# KiCad board Z280-SBC.kicad_pcb (continued)
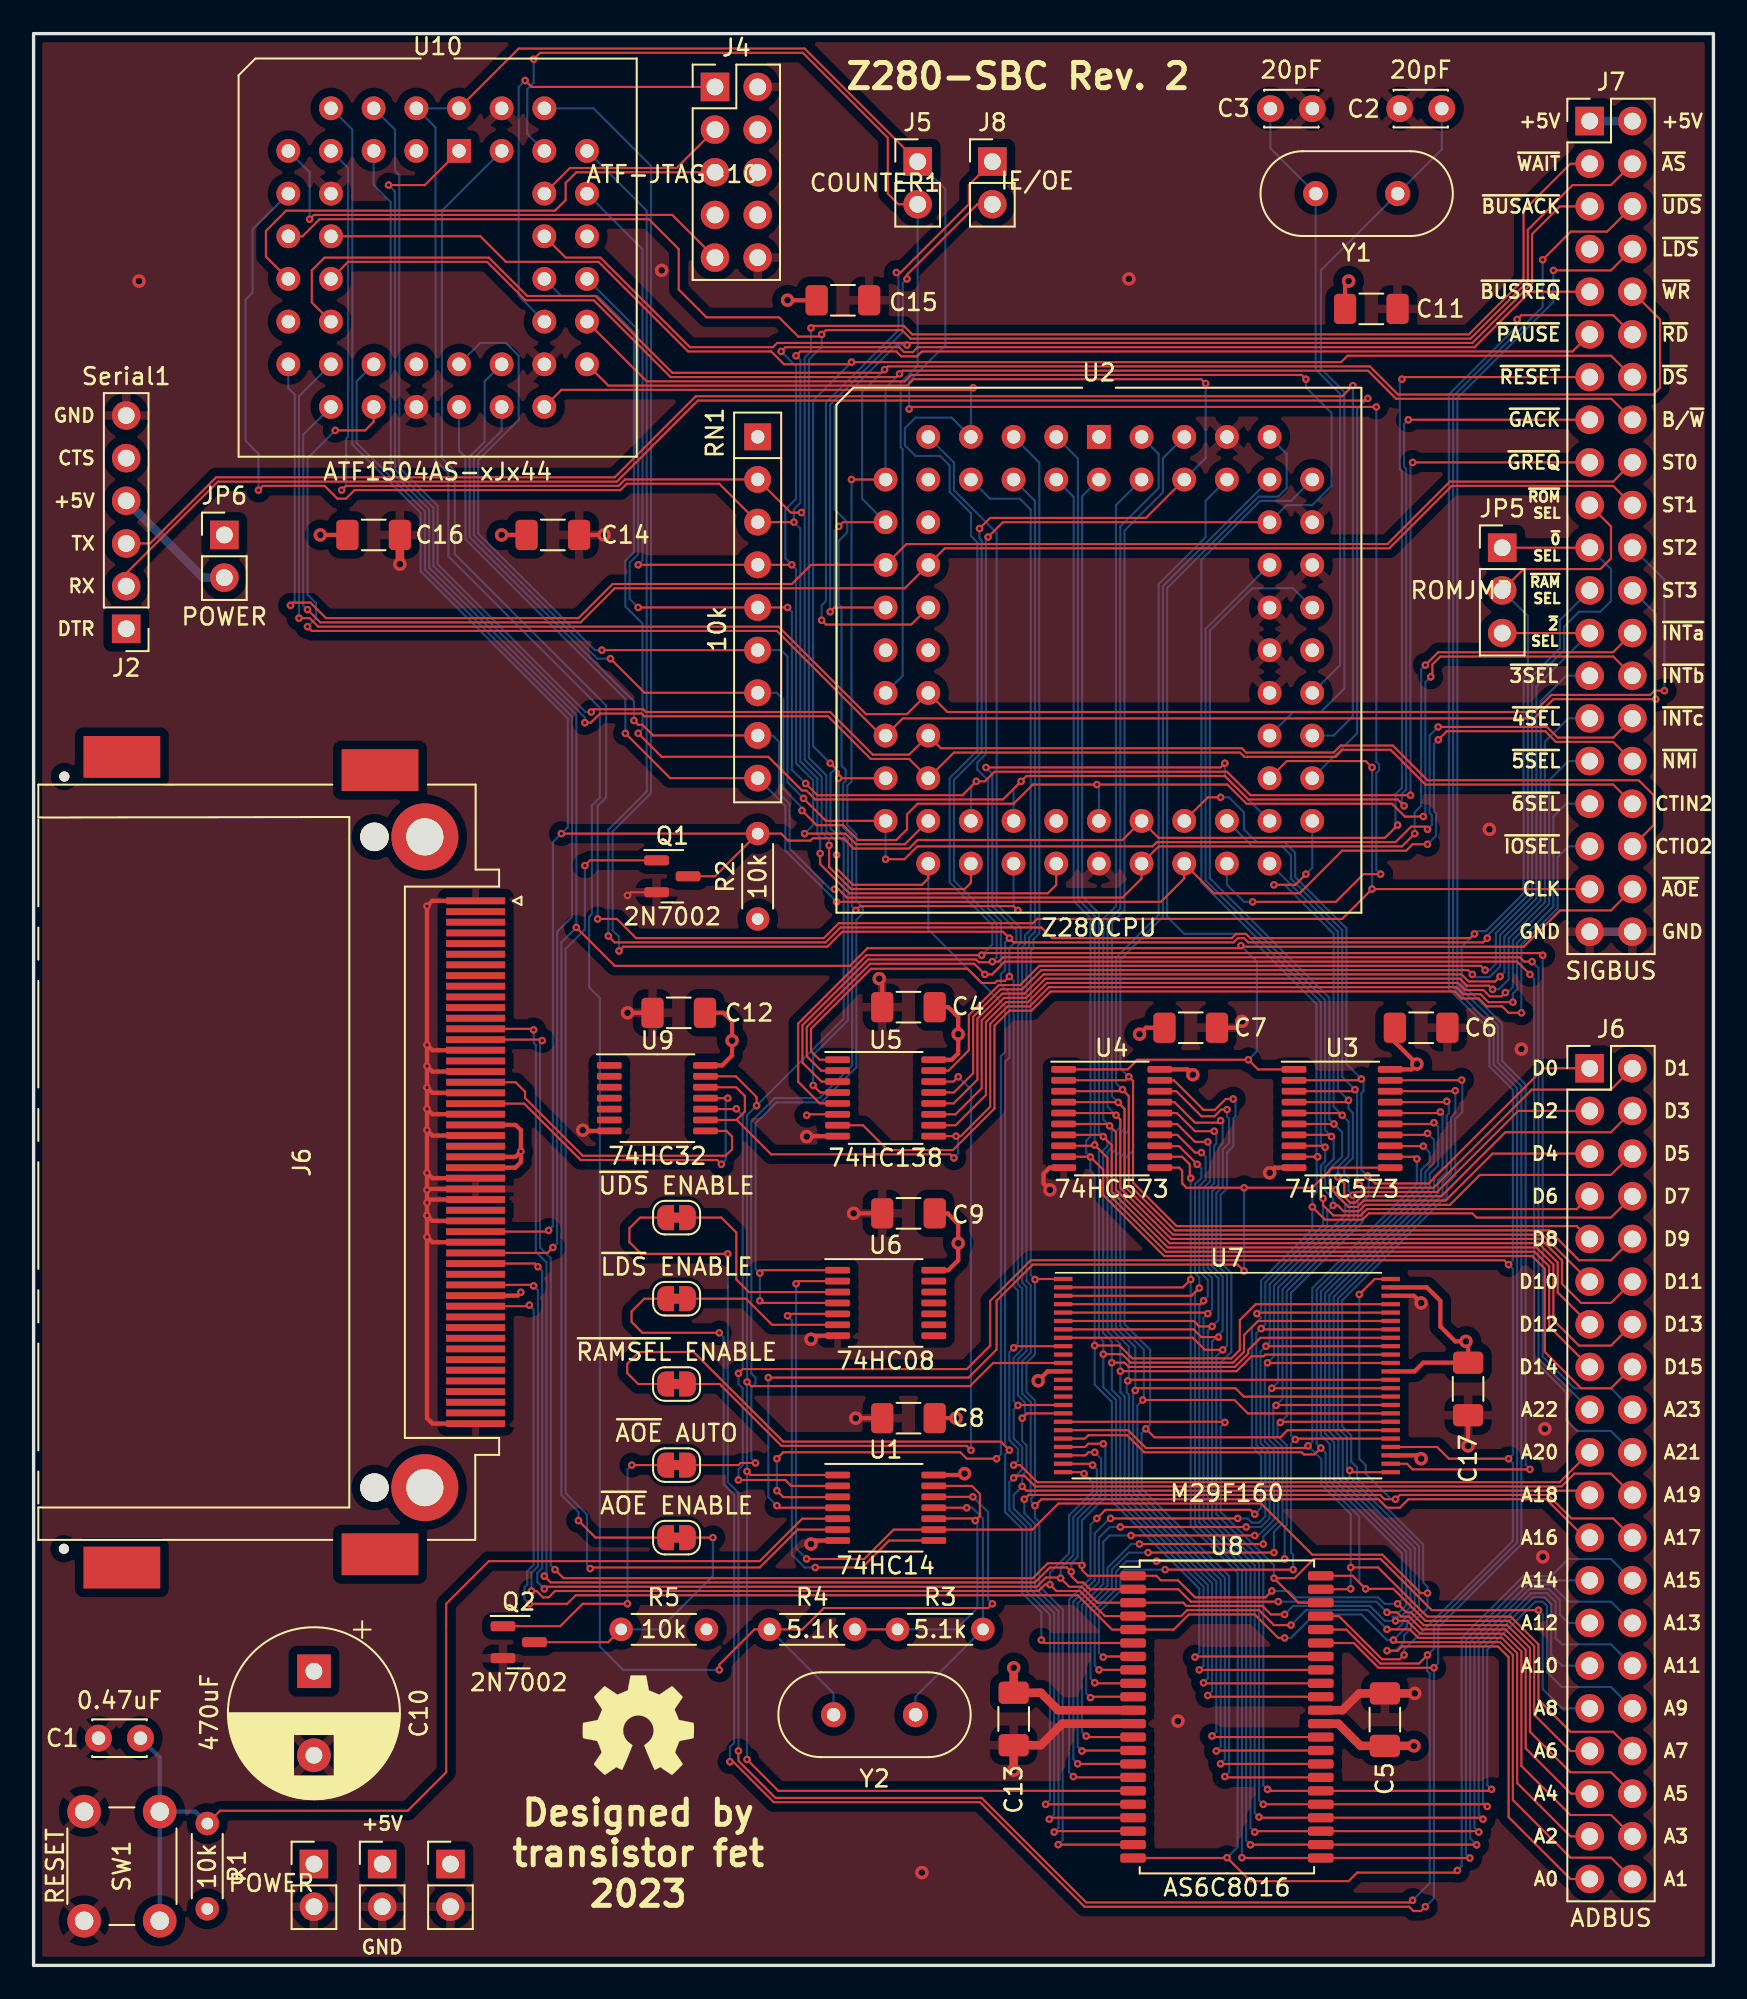
[diagram p0: board, top side]
## Routing (per net, layer and track width the routed paths; a pad name or vN(x,y) marks a point on that pad's centre or on a via; arc(x,y) is an arc through that point) (continued)
  Bottom w0.127: v1(85.01,52.71) 85.05,52.67 85.05,50.8 84.63,50.38 84.63,47.01 84.12,46.51 84.12,45.81 77.9,39.59 77.9,32.09 78.44,31.55 78.44,29.99 78.79,29.63 78.79,29 82.73,25.06 82.73,22.8 82.98,22.54 v1(82.98,22.16) 82.98,21.27 82,20.29 82,20.06 81.59,19.64 81.59,19.24 81.08,18.73 v1(80.57,18.73) ; v1(45.39,40.58) 45.39,24.83 v1(46.02,24.19)
A1: length 145.9
  Top w0.127: v1(29.52,21.53) 31.77,21.53 32.28,22.04 62.15,22.04 64.2,19.99 67.87,19.99 68.77,20.89 72.69,20.89 74.09,19.5 v1(74.47,19.5) ; v1(84.63,52.07) 84.6,52.04 U3.18 ; J6.40 93.9,6.41 91.49,6.41 88.06,9.84 88.06,18.48 87.3,19.24 81.08,19.24 v1(80.95,19.37) ; v1(78.35,29.47) 78.45,29.36 80.79,29.36 ; v1(29.52,39.31) 29.45,39.24 J1.20
  Bottom w0.127: v1(29.52,21.53) 29.22,21.82 29.22,22.51 29.39,22.67 29.39,23.47 29.77,23.85 29.77,39.05 v1(29.52,39.31) ; v1(74.47,19.5) 74.85,19.5 76.25,20.89 79.04,20.89 80.57,19.37 v1(80.95,19.37) 81.75,20.17 81.75,20.4 82.47,21.13 82.47,24.95 78.35,29.08 v1(78.35,29.47) 78.18,29.63 78.18,31.45 77.65,31.98 77.65,39.69 83.87,45.92 83.87,46.61 84.38,47.12 84.38,50.49 84.63,50.74 v1(84.63,52.07)
A2: length 147
  Top w0.127: v1(74.85,20.26) 73.84,20.26 72.95,21.15 68.67,21.15 68.31,20.79 63.78,20.79 62.28,22.29 60.88,22.29 v1(60.5,22.67) 60.21,22.67 59.82,22.29 31.04,22.29 30.66,21.91 30.32,21.91 29.94,22.29 v1(29.64,22.29) ; J6.37 91.49,7.69 88.32,10.86 88.32,18.59 87.41,19.5 82.43,19.5 81.93,20 v1(80.57,20) ; v1(29.77,40.45) 29.71,40.51 J1.19 ; U3.17 84.08,51.39 v1(84.12,51.44) ; v1(62.54,29.27) 62.45,29.36 U7.24
  Bottom w0.127: v1(74.85,20.26) 75.74,21.15 79.43,21.15 v1(80.57,20) 81.16,20 81.49,20.34 81.49,20.51 81.5,20.51 82.22,21.23 82.22,24.85 77.93,29.14 77.93,31.34 77.39,31.88 77.39,39.8 83.62,46.02 83.62,46.74 84.12,47.25 84.12,50.59 84.25,50.72 84.25,51.31 v1(84.12,51.44) ; v1(60.5,22.67) 60.5,23.39 61.65,24.53 61.65,26.8 63.04,28.19 63.04,28.77 v1(62.54,29.27) ; v1(29.64,22.29) 29.64,23.37 30.02,23.75 30.02,40.2 v1(29.77,40.45)
A3: length 147.8
  Top w0.127: v1(30.4,22.42) 30.53,22.54 59.72,22.54 60.26,23.09 61.1,23.09 v1(61.14,23.05) 61.65,22.54 62.39,22.54 63.34,21.59 68.44,21.59 68.63,21.4 73.15,21.4 73.66,20.89 v1(74.47,20.89) ; v1(63.04,29.78) 62.96,29.86 U7.23 ; U3.16 83.68,50.74 v1(83.74,50.8) ; v1(30.02,41.59) 29.84,41.78 J1.18 ; v1(81.08,20.51) 81.78,20.51 82.54,19.75 87.51,19.75 88.57,18.69 88.57,11.88 91.49,8.95 93.9,8.95 J6.38
  Bottom w0.127: v1(61.14,23.05) 61.14,23.67 61.9,24.43 61.9,26.69 63.3,28.09 63.3,29.53 v1(63.04,29.78) ; v1(30.02,41.59) 30.28,41.34 30.28,23.64 29.99,23.35 29.99,22.83 v1(30.4,22.42) ; v1(83.74,50.8) 83.87,50.67 83.87,47.44 83.36,46.94 83.36,46.13 77.14,39.9 77.14,31.77 77.67,31.24 77.67,29.03 81.97,24.74 81.97,21.34 81.4,20.77 80.91,20.77 80.9,20.76 81.14,20.51 v1(81.08,20.51) 80.44,20.51 79.55,21.4 74.98,21.4 v1(74.47,20.89)
A4: length 155.8
  Top w0.127: v1(80.57,21.02) 81.16,21.02 81.41,20.77 81.88,20.77 82.64,20 87.62,20 88.82,18.8 88.82,12.92 91.52,10.22 J6.35 ; U3.15 83.29,50.09 v1(83.36,50.17) ; v1(30.4,23.18) 30.79,22.8 59.61,22.8 60.5,23.69 61.52,23.69 v1(61.77,23.43) 61.77,23.18 62.15,22.8 62.49,22.8 62.9,22.39 U8.2 68.15,22.39 68.88,21.65 v1(74.09,21.65) ; J1.7 29.71,55.75 v1(29.77,55.69) ; v1(63.17,30.54) 62.79,30.54 62.61,30.36 U7.22
  Bottom w0.127: v1(61.77,23.43) 61.77,23.94 62.15,24.32 62.15,26.59 63.55,27.98 63.55,30.16 v1(63.17,30.54) ; v1(30.4,23.18) 30.53,23.31 30.53,41.85 29.9,42.48 29.9,54.8 29.77,54.93 v1(29.77,55.69) ; v1(83.36,50.17) 83.62,49.91 83.62,47.63 83.11,47.12 83.11,46.23 76.89,40.01 76.89,31.67 77.42,31.13 77.42,28.93 81.71,24.64 81.71,21.44 81.29,21.02 v1(80.57,21.02) 79.93,21.65 v1(74.09,21.65)
A5: length 155.4
  Top w0.127: J6.36 93.9,11.49 91.49,11.49 89.08,13.91 89.08,18.9 87.72,20.26 82.75,20.26 81.99,21.02 81.71,21.02 v1(81.2,21.53) ; v1(63.68,31.05) 62.79,31.05 62.6,30.86 U7.21 ; U3.14 82.89,49.44 v1(82.98,49.53) ; v1(73.71,22.29) 73.33,21.91 69.14,21.91 68.12,22.92 67.11,22.92 66.84,23.19 62.75,23.19 62.41,23.54 v1(62.41,23.81) 62.28,23.94 60.38,23.94 59.49,23.05 31.55,23.05 v1(31.04,23.56) ; v1(30.28,55.06) 30.22,55.11 J1.32
  Bottom w0.127: v1(63.68,31.05) 63.8,30.93 63.8,27.88 62.41,26.48 v1(62.41,23.81) ; v1(82.98,49.53) 83.36,49.15 83.36,47.75 82.85,47.25 82.85,46.34 76.63,40.11 76.63,31.56 77.17,31.03 77.17,28.82 81.46,24.53 81.46,21.78 v1(81.2,21.53) 80.42,21.53 80.04,21.91 75.11,21.91 74.73,22.29 v1(73.71,22.29) ; v1(30.28,55.06) 30.15,54.93 30.15,42.74 30.79,42.1 30.79,23.81 v1(31.04,23.56)
A6: length 71.3
  Top w0.127: 76.63,23.19 78.52,23.19 v1(79.3,22.42) 80.95,22.42 82.85,20.51 87.83,20.51 89.33,19.01 89.33,14.92 91.49,12.76 J6.33 ; U7.20 62.59,31.36 62.79,31.56 65.1,31.56 66.11,30.54 75.49,30.54 75.62,30.42 76.25,30.42 v1(76.63,30.8) ; U3.13 80.78,48.77 v1(82.73,48.77)
  Bottom w0.127: v1(82.73,48.77) 83.11,48.39 83.11,47.86 82.6,47.35 82.6,46.44 76.38,40.22 76.38,31.05 v1(76.63,30.8) 76.91,30.52 76.91,28.72 78.92,26.71 78.92,22.8 v1(79.3,22.42)
A7: length 71.1
  Top w0.127: U3.12 82.21,48.14 v1(82.35,48.01) ; v1(78.41,23.69) 80.04,23.69 82.96,20.77 87.93,20.77 89.59,19.11 89.59,15.81 91.49,13.91 94.03,13.91 J6.34 ; v1(75.87,30.93) 75.74,30.8 66.22,30.8 65.16,31.86 U7.19 ; U8.43 78.38,22.39 v1(78.41,22.42)
  Bottom w0.127: v1(78.41,22.42) v1(78.41,23.69) 78.41,26.86 76.66,28.61 76.66,30.14 v1(75.87,30.93) 76.12,31.18 76.12,40.32 82.35,46.55 v1(82.35,48.01)
A8: length 75
  Top w0.127: U4.19 67.88,52.69 69.65,50.93 70.32,50.93 70.97,51.58 v1(71.41,51.58) ; v1(89.59,21.15) 83.24,21.15 80.19,24.19 76.21,24.19 75.06,23.05 v1(73.84,23.05) 75.3,21.59 76.63,21.59 ; U7.18 70.88,32.36 v1(70.92,32.32)
  Bottom w0.127: v1(89.59,21.15) 89.84,20.89 89.84,16.45 90.98,15.3 J6.31 ; v1(71.41,51.58) 71.55,51.44 71.55,50.55 71.43,50.42 71.43,48.77 71.04,48.39 71.04,46.25 70.66,45.87 70.66,41.85 71.3,41.21 71.3,36.51 70.66,35.88 70.66,32.58 v1(70.92,32.32) 70.66,32.07 70.66,27.01 73.84,23.83 v1(73.84,23.05)
A9: length 93.8
  Top w0.127: v1(71.04,50.95) 70.7,50.95 70.3,50.55 69.52,50.55 68.03,52.04 U4.18 ; v1(86.79,10.48) 86.7,10.39 U8.28 73.54,10.39 v1(73.46,10.48) ; U7.8 69.01,37.36 69.73,36.64 v1(70.79,36.64)
  Bottom w0.127: v1(71.04,50.95) 71.04,50.53 71.17,50.4 71.17,48.96 70.79,48.58 70.79,46.35 70.41,45.97 70.41,41.74 71.04,41.11 71.04,36.89 v1(70.79,36.64) 70.41,36.26 70.41,26.86 73.2,24.07 73.2,10.73 v1(73.46,10.48) ; v1(86.79,10.48) 86.54,10.73 86.54,18.8 89.4,21.65 89.84,21.65 90.09,21.4 90.09,17.46 90.98,16.57 93.9,16.57 J6.32
A10: length 90.4
  Top w0.127: v1(70.66,50.29) 70.54,50.17 69.14,50.17 67.91,51.39 U4.17 ; v1(86.54,9.46) 86.41,9.59 v1(73.21,9.59) ; v1(70.54,37.4) 69.52,37.4 69.06,37.86 U7.7
  Bottom w0.127: v1(70.66,50.29) 70.79,50.17 70.79,48.93 70.54,48.68 70.54,46.46 70.16,46.08 70.16,41.64 70.79,41 70.79,37.78 70.16,37.15 70.16,26.71 72.95,23.92 72.95,9.84 v1(73.2,9.59) ; J6.29 90.98,17.84 90.35,18.48 90.35,21.51 89.95,21.91 89.27,21.91 86.28,18.93 86.28,9.72 v1(86.54,9.46)
A11: length 92.9
  Top w0.127: v1(70.16,38.04) 69.39,38.04 69.07,38.36 U7.6 ; v1(70.28,49.66) 69.14,49.66 68.06,50.74 U4.16 ; v1(72.95,8.83) 72.99,8.79 U8.26 86.19,8.79 v1(86.28,8.7)
  Bottom w0.127: v1(72.95,8.83) 72.69,9.08 72.69,23.81 69.9,26.61 69.9,37.78 70.54,38.42 70.54,40.9 69.9,41.53 69.9,46.18 70.28,46.57 70.28,48.79 70.41,48.91 70.41,49.53 v1(70.28,49.66) ; v1(86.28,8.7) 86.03,8.95 86.03,19.03 89.16,22.16 90.09,22.16 90.6,21.65 90.6,19.5 90.98,19.11 93.9,19.11 J6.30
A12: length 89.2
  Top w0.127: v1(72.69,7.94) 72.75,7.99 U8.25 85.98,7.99 v1(86.03,7.94) ; v1(69.9,49.02) 69.14,49.02 68.07,50.09 U4.15 ; v1(69.9,38.8) 69.84,38.86 U7.5
  Bottom w0.127: v1(69.9,49.02) 70.03,48.9 70.03,46.67 69.65,46.29 69.65,41.43 70.16,40.92 70.16,39.05 v1(69.9,38.8) 69.65,38.55 69.65,26.48 72.44,23.69 72.44,8.19 v1(72.69,7.94) ; J6.27 91.36,20.38 90.86,20.89 90.86,21.76 90.2,22.42 89.06,22.42 85.78,19.14 85.78,8.19 v1(86.03,7.94)
A13: length 92.2
  Top w0.127: v1(85.9,7.18) 85.89,7.19 72.46,7.19 v1(72.44,7.18) ; v1(69.52,48.39) 69.14,48.39 68.09,49.44 U4.14 ; v1(69.65,39.56) 69.45,39.36 U7.4
  Bottom w0.127: J6.28 93.9,21.65 91.36,21.65 90.35,22.67 88.95,22.67 85.52,19.24 85.52,7.56 v1(85.9,7.18) ; v1(69.52,48.39) 69.77,48.13 69.77,46.78 69.39,46.39 69.39,41.32 69.9,40.81 69.9,39.82 v1(69.65,39.56) 69.39,39.31 69.39,26.37 72.19,23.58 72.19,7.43 v1(72.44,7.18)
A14: length 89.4
  Top w0.127: v1(69.27,47.69) 68.19,48.77 67.06,48.77 U4.13 ; v1(69.39,40.32) 68.93,39.86 U7.3 ; v1(85.5,6.39) U8.23 71.96,6.39 v1(71.93,6.41)
  Bottom w0.127: v1(71.93,6.41) 71.93,23.47 69.14,26.27 69.14,40.07 v1(69.39,40.32) 69.39,40.96 69.14,41.22 69.14,46.5 69.52,46.88 69.52,47.44 v1(69.27,47.69) ; v1(85.5,6.39) 85.27,6.62 85.27,19.37 88.82,22.92 J6.25
A15: length 99.2
  Top w0.127: v1(68.88,46.86) 68.83,46.92 68.83,47.68 68.37,48.14 U4.12 ; U7.2 68.41,40.36 v1(68.88,40.83) ; v1(84.76,5.65) 84.63,5.53 78.79,5.53 78.28,5.02 72.44,5.02 v1(71.04,6.41) 71.02,6.39 U8.22
  Bottom w0.127: v1(68.88,46.86) 68.88,26.16 71.68,23.37 71.68,7.05 v1(71.04,6.41) ; J6.26 93.9,24.19 91.36,24.19 90.35,23.18 88.7,23.18 85.01,19.5 85.01,5.91 v1(84.76,5.65)
A16: length 126.8
  Top w0.127: v1(59.61,40.83) 59.64,40.86 U7.1 ; v1(61,7.19) 65.45,7.19 ; J6.23 92.34,25.46 90.05,27.75 81.84,27.75 81.33,27.24 80.57,27.24 80.06,27.75 59.99,27.75 v1(59.61,27.37)
  Bottom w0.127: U2.5 59.87,89.46 59.87,61.43 59.52,61.08 59.52,60.56 59.36,60.39 59.36,41.09 v1(59.61,40.83) 59.61,36.37 59.11,35.86 59.11,34.14 59.61,33.63 59.61,28.03 59.4,27.81 59.4,27.59 v1(59.61,27.37) 59.61,26.65 59.87,26.39 59.87,22.58 61.27,21.19 61.27,7.46 v1(61,7.19)
A17: length 140.6
  Top w0.127: 80.79,40.86 79.84,40.86 v1(78.92,39.94) ; U8.20 60.81,7.99 v1(60.76,7.94) ; J6.24 94.03,26.61 91.55,26.61 90.16,28 81.33,28 v1(81.08,27.75) 80.42,27.75 80.17,28 59.23,28 v1(58.98,27.75)
  Bottom w0.127: v1(81.08,27.75) 80.82,27.75 79.3,29.27 79.3,29.78 78.92,30.16 v1(78.92,39.94) ; U2.6 59.61,87.18 59.61,61.53 59.27,61.19 59.27,60.66 59.11,60.5 59.11,40.75 59.36,40.5 59.36,36.48 58.85,35.97 58.85,34.03 59.36,33.53 59.36,28.13 v1(58.98,27.75) 58.98,26.92 59.61,26.29 59.61,22.48 61.01,21.08 61.01,8.19 v1(60.76,7.94)
A18: length 126.1
  Top w0.127: v1(58.85,28.51) 59.11,28.26 92.38,28.26 J6.21 ; v1(60.47,8.7) 60.56,8.79 U8.19 ; U7.17 59.14,32.86 v1(58.85,32.58)
  Bottom w0.127: U2.8 56.94,87.31 58.71,87.31 59.36,86.66 59.36,61.66 59.02,61.32 59.02,60.77 58.85,60.61 58.85,40.64 59.11,40.39 59.11,36.58 58.6,36.07 58.6,33.93 59.02,33.51 59.02,32.74 v1(58.85,32.58) 58.85,31.22 59.11,30.96 59.11,29.42 58.85,29.17 v1(58.85,28.51) 58.34,28 58.34,27.2 59.36,26.18 59.36,22.37 60.76,20.98 60.76,8.99 v1(60.47,8.7)
A19: length 131.8
  Top w0.127: U7.16 58.62,33.36 v1(58.6,33.34) ; v1(58.34,29.02) 58.47,29.15 58.98,29.15 59.61,28.51 90.96,28.51 91.72,29.27 93.9,29.27 J6.22 ; v1(60.25,9.59) 65.45,9.59 65.45,9.59
  Bottom w0.127: U2.9 54.79,89.46 54.79,87.82 57.33,85.28 57.33,63.18 58.76,61.75 58.76,60.87 58.6,60.71 58.6,40.54 58.85,40.29 58.85,36.69 58.34,36.18 58.34,33.59 v1(58.6,33.34) 58.34,33.08 58.34,31.37 58.85,30.86 58.85,29.53 v1(58.34,29.02) 58.09,28.77 58.09,27.09 59.11,26.08 59.11,22.27 60.5,20.87 60.5,9.84 v1(60.25,9.59)
A20: length 117.4
  Top w0.127: v1(58.34,29.78) 58.73,29.78 59.74,28.77 90.85,28.77 92.63,30.54 ; v1(58.34,36.77) 58.44,36.86 U7.9 ; v1(58.09,58.87) 57.84,58.61 57.35,58.61 57.23,58.48 56.44,58.48 55.59,59.33 49.85,59.33 46.28,55.76 46.28,54.42 46.79,53.91 U5.1 ; v1(56.69,71.31) 70.66,71.31 v1(70.92,71.57)
  Bottom w0.127: v1(70.92,71.57) 70.92,70.79 U2.45 ; v1(58.34,29.78) 58.6,30.04 58.6,30.75 58.09,31.26 58.09,36.51 v1(58.34,36.77) 58.6,37.02 58.6,40.18 58.34,40.43 58.34,58.61 v1(58.09,58.87) 58.09,60.56 58.51,60.98 58.51,61.62 57.07,63.06 57.07,70.93 v1(56.69,71.31)
A21: length 182.4
  Top w0.127: v1(89.08,58.99) 88.32,59.75 57.81,59.75 57.05,58.99 v1(56.63,58.99) 56,59.63 49.79,59.63 46.02,55.86 46.02,54.12 46.88,53.26 U5.2 ; v1(56.82,85.03) 57.7,85.91 U2.59 ; U10.31 36.5,94.3 51.87,94.3 52.25,94.68 75.49,94.68 v1(75.74,94.43)
  Bottom w0.127: v1(56.63,58.99) 57.07,58.99 57.58,59.5 57.58,62.17 56.82,62.93 56.82,70.55 56.19,71.18 56.19,71.61 56.69,72.12 56.69,84.9 v1(56.82,85.03) ; v1(89.08,58.99) 89.33,58.74 89.33,36.01 91.24,34.1 91.24,32.45 91.87,31.81 93.9,31.81 J6.20 ; v1(75.74,94.43) 75.74,93.94 77.27,92.42 77.27,88.08 76.12,86.93 74.59,86.93 U2.59
A22: length 163.2
  Top w0.127: U5.3 46.9,52.61 45.77,53.74 45.77,55.97 49.69,59.88 56.1,59.88 56.27,59.72 57.04,59.72 v1(57.07,59.75) 57.46,59.75 57.71,60.01 88.48,60.01 88.74,59.75 v1(89.2,59.75) ; v1(69.77,94.17) 69.52,94.43 52.38,94.43 51.99,94.04 34.21,94.04 U10.29 ; U2.66 66.21,86.17 56.94,86.17 v1(56.31,85.54)
  Bottom w0.127: v1(89.2,59.75) 89.59,59.37 89.59,36.13 J6.17 ; v1(57.07,59.75) 57.33,60.01 57.33,62.04 54.79,64.58 54.79,70.57 56.44,72.22 56.44,84.82 56.31,84.95 v1(56.31,85.54) ; v1(69.77,94.17) 69.77,89.73 U2.66
A23: length 152.7
  Top w0.127: v1(55.93,93.92) 55.8,93.79 31.42,93.79 U10.28 ; U5.5 46.8,51.31 45.52,52.6 45.52,56.07 49.58,60.14 v1(56.44,60.14) 56.57,60.26 89.71,60.26 v1(89.84,60.14)
  Bottom w0.127: v1(55.93,93.92) 55.8,93.79 U2.7 54.65,92.14 52.5,92.14 51.87,91.5 51.87,90.49 52.5,89.85 53.96,89.85 54.53,89.28 54.53,87.72 55.8,86.45 55.8,85.09 56.19,84.71 56.19,72.33 54.53,70.68 54.53,64.48 57.07,61.94 57.07,60.77 v1(56.44,60.14) ; J6.18 93.9,34.35 91.72,34.35 89.84,36.24 v1(89.84,60.14)
ALE: length 64.6
  Top w0.127: U4.11 68.2,47.49 68.38,47.31 68.38,46.55 68.63,46.29 v1(72.06,46.29) 76.12,46.29 77.32,47.49 U3.11 ; v1(44.25,27.37) 44.37,27.24 U1.4 ; v1(43.74,34.99) 55.66,34.99 57.33,36.66 57.33,39.56 59.49,41.72 71.68,41.72 v1(72.06,41.34)
  Bottom w0.127: v1(72.06,46.29) v1(72.06,41.34) ; v1(43.74,34.99) 43.74,27.88 v1(44.25,27.37)
ATA-READY: length 63.5
  Top w0.127: v1(30.91,42.74) 30.59,42.41 J1.42
  Bottom w0.127: v1(30.91,42.74) 31.17,42.99 31.17,61.53 32.05,62.42 32.05,74.34 23.29,83.1 23.29,86.57 19.23,90.64 19.23,94.3 U10.21
B/~{W}: length 153.8
  Top w0.127: v1(43.23,39.56) 43.36,39.43 U6.4 ; v1(43.23,41.21) 43.4,41.38 U6.1 ; U10.14 18.72,101.41 27,101.41 29.28,99.12 33.35,99.12 37.92,94.55 51.36,94.55 v1(51.55,94.74) 51.74,94.93 79.44,94.93 81.11,93.26 93.93,93.26 J7.16 ; v1(48.69,88.45) U2.10
  Bottom w0.127: v1(43.23,39.56) v1(43.23,41.21) 42.98,41.47 42.98,50.12 44.23,51.37 46.89,51.37 48.98,53.46 48.98,62.25 49.36,62.63 49.36,62.98 48.98,63.36 48.98,67.34 48.44,67.88 48.44,70.23 48.69,70.48 48.69,88.45 v1(48.69,88.45) ; v1(51.55,94.74) 50.72,93.91 U2.10
CLK: length 126.1
  Top w0.127: 92.63,64.07 v1(79.68,64.07) 77.9,62.29 59.74,62.29 59.49,62.04 47.93,62.04 47.04,61.15 35.87,61.15 34.72,62.29 v1(33.58,62.29) ; v1(79.68,71.31) 79.3,71.69 74.6,71.69 73.58,70.67
  Bottom w0.127: U10.43 24.31,104.46 24.31,89.73 25.07,88.96 25.07,84.01 34.09,74.99 34.09,69.53 33.58,69.03 v1(33.58,62.29) ; v1(79.68,64.07) v1(79.68,71.31)
CTIN1: length 256.1
  Top w0.127: v1(55.92,27.89) U1.12 ; v1(57.07,21.53) 56.82,21.27 47.04,21.27 45.77,20 R4.1 42.91,20 40.82,17.91 v1(40.82,17.59) ; v1(72.57,63.31) 77.52,63.31 79.17,64.96 v1(80.19,64.96) ; v1(79.93,92.77) 52.25,92.77 v1(52.12,92.65) ; U10.44 28.88,114.11 45.9,114.11 J5.1
  Bottom w0.127: v1(79.93,92.77) 79.93,71.65 80.1,71.48 80.1,71.14 79.93,70.98 79.93,65.22 v1(80.19,64.96) ; U10.44 U10.2 23.93,109.41 23.93,89.6 24.69,88.84 24.69,83.88 33.71,74.87 33.71,69.51 33.23,69.04 33.23,62.59 33.07,62.42 33.07,58.23 33.71,57.6 33.71,18.99 35.1,17.59 v1(40.82,17.59) ; v1(52.12,92.65) 52.12,94.3 54.28,96.46 54.28,105.73 J5.1 ; v1(57.07,21.53) 56.82,21.78 56.82,26.99 v1(55.92,27.89) ; R4.1 47.62,16.19 Y2.2 ; v1(72.57,63.31) 72.06,63.31 71.04,64.33 U2.41
CTIN2: length 108.3
  Top w0.127: J7.34 94.03,70.3 82.85,70.3 80.79,72.36 77.92,72.36 77.5,71.95 72.07,71.95 71.82,72.2 54.79,72.2 53.26,70.67 53.26,70.68 52.12,71.82 49.84,71.82 47.3,74.36 36.35,74.36 36.19,74.52 33.72,74.52 33.18,73.98 v1(32.82,73.98) ; U10.1 23.29,105.98 v1(21.13,105.98)
  Bottom w0.127: v1(21.13,105.98) 21.51,105.6 21.51,89.07 23.8,86.78 23.8,83.31 32.82,74.29 v1(32.82,73.98)
CTIO1: length 64.7
  Top w0.127: v1(29.77,113.48) 30.15,113.86 45.79,113.86 50.85,108.8 50.85,105.47 51.49,104.84 J5.2
  Bottom w0.127: U2.20 51.74,76.77 51.74,90.26 51.61,90.38 51.61,94.22 52.63,95.23 J5.2 ; v1(29.77,113.48) 29.77,112.08 29.39,111.7 29.39,109.03 U10.41
CTIO2: length 111.8
  Top w0.127: J7.36 96.44,67.88 96.44,69.66 95.56,70.55 82.98,70.55 80.91,72.62 77.81,72.62 77.39,72.2 72.18,72.2 71.93,72.45 54.02,72.45 U2.23 52.12,72.07 49.96,72.07 47.42,74.61 36.46,74.61 36.29,74.78 33.36,74.78 v1(33.2,74.61)
  Bottom w0.127: U10.4 21.51,109.28 21.51,106.85 21.77,106.59 21.77,89.18 24.05,86.89 24.05,83.42 32.86,74.61 v1(33.2,74.61)
D0: length 99.7
  Top w0.127: v1(75.11,31.31) 75.16,31.36 80.79,31.36 ; U2.40 69.9,69.53 v1(70.66,69.53) ; v1(63.68,18.35) 63.72,18.39 U8.7 ; U3.2 78.97,52.69 v1(79.04,52.77) ; v1(74.98,23.56) v1(67.36,23.56) ; J6.1 89.9,53.4 83.05,46.55 79.86,46.55 v1(79.42,46.99)
  Bottom w0.127: v1(63.68,18.35) 63.42,18.61 63.42,21.02 64.69,22.29 64.69,23.31 64.95,23.56 v1(67.36,23.56) ; v1(74.98,23.56) 74.98,24.45 74.85,24.58 74.85,31.05 v1(75.11,31.31) 74.85,31.56 74.85,40.03 77.81,42.99 77.84,42.99 79.1,44.25 79.1,45.46 79.48,45.84 79.48,46.93 v1(79.42,46.99) 79.04,47.36 79.04,51.93 79.17,52.05 79.17,52.64 v1(79.04,52.77) 78.16,53.66 78.16,61.74 75.1,64.8 75.1,66.24 74.48,66.86 72.82,66.86 72.06,67.62 72.06,68.64 71.16,69.53 v1(70.66,69.53)
D1: length 99
  Top w0.127: v1(74.47,24.19) 74.35,24.07 v1(66.85,24.07) ; U3.3 78.57,52.04 v1(78.66,52.13) ; 80.79,32.36 74.26,32.36 v1(74.22,32.32) ; 65.45,17.59 v1(63.43,17.59) ; v1(78.92,46.47) 79.1,46.29 83.35,46.29 89.19,52.13 93.9,52.13 J6.2
  Bottom w0.127: v1(66.85,24.07) 65.07,24.07 64.44,23.43 64.44,22.4 63.17,21.13 63.17,17.84 v1(63.42,17.59) ; v1(74.47,24.19) 74.47,26.08 74.6,26.21 74.6,30.97 74.06,31.51 74.06,32.16 v1(74.22,32.32) 74.6,32.7 74.6,40.14 77.71,43.24 77.73,43.24 78.84,44.36 78.84,45.58 79.04,45.78 79.04,46.34 v1(78.92,46.47) 78.79,46.6 78.79,52.01 v1(78.66,52.13) 77.9,52.9 77.9,61.64 74.85,64.69 74.85,66.1 74.34,66.61 72.56,66.61 U2.42
D2: length 92
  Top w0.127: v1(73.84,24.58) v1(66.34,24.58) ; 78.53,45.84 78.73,46.04 83.55,46.04 88.37,50.86 92.63,50.86 ; v1(78.28,51.5) 78.17,51.39 U3.4 ; 80.79,33.36 73.99,33.36 v1(73.97,33.34) ; 65.45,16.79 63.21,16.79 v1(63.17,16.83)
  Bottom w0.127: v1(66.34,24.58) 65.2,24.58 64.19,23.56 64.19,22.5 62.92,21.23 62.92,17.08 v1(63.17,16.83) ; v1(73.84,24.58) 73.84,25.81 74.35,26.31 74.35,30.86 73.8,31.41 73.8,33.18 v1(73.97,33.34) 74.35,33.72 74.35,40.24 77.6,43.5 77.63,43.5 78.59,44.46 78.59,45.79 v1(78.53,45.85) 78.28,46.1 78.28,46.89 78.03,47.14 78.03,47.56 78.54,48.07 78.54,50.75 78.28,51.01 v1(78.28,51.5) 77.65,52.13 77.65,61.53 73.59,65.59 U2.43
D3: length 101.7
  Top w0.127: v1(62.92,15.94) 62.97,15.99 65.45,15.99 ; v1(73.84,64.33) 75.11,64.33 v1(75.74,64.96) ; 80.79,34.36 73.72,34.36 v1(73.71,34.35) ; v1(77.65,46.93) 78.03,46.55 78.03,45.76 78.38,45.4 78.68,45.4 79.06,45.78 83.8,45.78 87.61,49.59 93.9,49.59 95.17,50.86 ; U3.5 77.77,50.74 v1(77.9,50.61) ; v1(73.2,25.08) v1(65.84,25.08)
  Bottom w0.127: v1(73.84,64.33) 74.47,64.33 77.39,61.41 77.39,51.12 v1(77.9,50.61) 78.28,50.23 78.28,48.18 77.65,47.54 v1(77.65,46.93) 78.02,46.55 78.02,45.76 78.33,45.45 78.33,44.57 77.52,43.75 77.5,43.75 74.09,40.35 74.09,34.74 v1(73.71,34.35) 73.55,34.19 73.55,31.3 74.09,30.76 74.09,26.42 73.2,25.53 v1(73.2,25.08) ; U2.44 76.12,65.34 v1(75.74,64.96) ; v1(62.92,15.94) 62.66,16.19 62.66,21.34 63.93,22.61 63.93,23.67 65.35,25.08 v1(65.84,25.08)
D4: length 119.1
  Top w0.127: 65.45,13.59 62.72,13.59 v1(62.66,13.65) ; v1(72.69,25.59) v1(65.33,25.59) ; 92.63,48.32 86.86,48.32 84.06,45.53 79.17,45.53 78.79,45.15 78.28,45.15 77.52,45.9 v1(77.52,46.17) ; 80.79,35.86 73.47,35.86 v1(73.46,35.88) ; v1(77.41,50.09) U3.6
  Bottom w0.127: v1(65.33,25.59) 64.06,25.59 63.68,25.21 63.68,22.71 62.41,21.44 62.41,13.91 v1(62.66,13.65) ; 76.12,80.83 74.97,81.98 72.55,81.98 70.02,79.46 70.02,64.71 77.13,57.6 77.13,50.36 v1(77.41,50.09) 77.9,49.59 77.9,48.15 77.14,47.39 77.14,46.55 v1(77.52,46.17) 77.52,45.9 78.08,45.35 78.08,44.69 73.84,40.45 73.84,36.26 v1(73.46,35.88) 73.29,35.72 73.29,31.19 73.84,30.65 73.84,26.52 72.91,25.59 v1(72.69,25.59)
D5: length 120
  Top w0.127: v1(77.27,49.34) 77.17,49.44 U3.7 ; v1(62.41,12.76) 62.44,12.79 U8.14 ; v1(77.36,45.25) 77.64,45.25 77.99,44.9 78.89,44.9 79.27,45.28 84.32,45.28 86.09,47.05 93.9,47.05 95.17,48.32 ; v1(73.36,36.86) 80.79,36.86 ; v1(72.19,26.1) v1(64.69,26.1)
  Bottom w0.127: v1(62.41,12.76) 62.15,13.02 62.15,21.55 63.42,22.82 63.42,25.46 64.06,26.1 v1(64.69,26.1) ; v1(72.19,26.1) 73.05,26.1 73.58,26.63 73.58,30.54 73.04,31.09 73.04,36.54 v1(73.36,36.86) 73.58,37.08 73.58,40.56 77.01,43.99 77.01,44.9 v1(77.36,45.25) 77.36,45.65 76.89,46.12 76.89,47.5 77.39,48.01 77.39,49.21 v1(77.27,49.34) 76.88,49.73 76.88,57.47 69.77,64.59 69.77,79.56 73.58,83.37
D6: length 125.7
  Top w0.127: v1(76.89,48.71) 76.8,48.79 U3.8 ; v1(71.68,26.61) v1(64.11,26.61) ; U8.15 62.16,11.99 v1(62.15,12) ; v1(76.76,45.66) 76.76,45.26 77.38,44.64 79,44.64 79.38,45.02 91.87,45.02 92.63,45.78 ; 80.79,37.86 73.12,37.86 v1(73.08,37.91)
  Bottom w0.127: v1(62.15,12) 61.9,12.26 61.9,21.65 63.17,22.92 63.17,25.72 64.06,26.61 v1(64.11,26.61) ; v1(71.68,26.61) 72.27,26.61 72.52,26.35 72.95,26.35 73.33,26.73 73.33,30.44 72.79,30.98 72.79,37.62 v1(73.08,37.91) 73.33,38.16 73.33,40.66 76.76,44.09 v1(76.76,45.66) 76.63,45.78 76.63,47.6 76.89,47.86 v1(76.89,48.71) 76.63,48.96 76.63,57.35 69.52,64.46 69.52,83.67 73.03,87.18 74.85,87.18 U2.60
D7: length 135.3
  Top w0.127: 65.45,11.19 61.95,11.19 v1(61.9,11.24) ; v1(76.12,45.15) 76.89,44.39 79.1,44.39 79.48,44.77 85.65,44.77 85.9,44.51 93.9,44.51 95.17,45.78 ; v1(72.82,38.8) 72.88,38.86 80.79,38.86 ; v1(63.3,26.61) 63.8,27.12 72.44,27.12 v1(72.69,26.86) ; v1(76.45,48.14) U3.9
  Bottom w0.127: v1(61.9,11.24) 61.65,11.49 61.65,21.78 62.92,23.05 62.92,26.23 v1(63.3,26.61) ; v1(72.69,26.86) 73.08,27.24 73.08,30.33 72.53,30.88 72.53,38 73.08,38.55 v1(72.82,38.8) 73.08,39.05 73.08,40.77 76.12,43.81 v1(76.12,45.15) 76.12,45.78 76.38,46.04 76.38,48.07 v1(76.45,48.14) 76.37,48.21 76.37,57.22 72.19,61.41 68.5,61.41 67.48,62.43 67.48,82 72.92,87.44 74.09,87.44 74.59,87.94 74.59,89.98 U2.61
D8: length 144.1
  Top w0.127: v1(66.22,31.94) 66.73,31.43 74.22,31.43 74.65,31.86 80.79,31.86 ; 76.63,11.19 70.97,11.19 v1(70.92,11.24) ; U4.2 65,52.69 v1(65.2,52.9) 65.45,52.65 65.45,46.6 68.05,44.01 91.87,44.01 92.63,43.24
  Bottom w0.127: U2.62 67.23,82.1 67.23,62.42 64.69,59.88 64.69,53.4 v1(65.2,52.9) 65.45,52.65 65.45,48.51 64.94,48 64.94,38.17 66.47,36.64 66.47,32.2 v1(66.22,31.94) 65.96,31.69 65.96,28.39 71.17,23.18 71.17,11.49 v1(70.92,11.24)
D9: length 145.5
  Top w0.127: J6.10 93.9,41.97 92,41.97 90.22,43.75 67.94,43.75 65.2,46.5 65.2,51.76 v1(64.82,52.13) 64.73,52.04 U4.3 ; U8.30 70.67,11.99 v1(70.66,12) ; 80.79,32.86 72.28,32.86 71.49,33.66 v1(66.03,33.66)
  Bottom w0.127: v1(70.66,12) 70.92,12.26 70.92,23.05 ; 70.92,23.06 65.71,28.27 65.71,33.34 v1(66.03,33.66) 66.09,33.72 66.09,36.66 64.69,38.06 64.69,48.11 64.94,48.36 64.94,49.44 65.2,49.7 65.2,51.76 v1(64.82,52.13) 64.44,52.52 64.44,60 66.97,62.53 66.97,82.23 69.77,85.02 69.77,87.18 U2.64
D10: length 143.5
  Top w0.127: 80.79,33.86 72.05,33.86 71.55,34.35 65.71,34.35 v1(65.58,34.23) ; v1(70.41,12.76) 70.44,12.79 U8.31 ; 92.63,40.7 92.63,40.71 89.84,43.5 67.83,43.5 64.94,46.39 64.94,50.99 v1(64.56,51.37) 64.54,51.39 U4.4
  Bottom w0.127: v1(70.41,12.76) 70.66,13.02 70.66,22.96 65.46,28.17 65.46,34.1 v1(65.58,34.23) 65.58,36.81 64.44,37.96 64.44,48.21 64.69,48.47 64.69,49.55 64.94,49.8 64.94,50.99 v1(64.56,51.37) 64.19,51.75 64.19,62.06 64.94,62.82 64.94,85.4 67.23,87.69 67.23,89.72 U2.65
D11: length 146.8
  Top w0.127: v1(65.14,34.8) 65.2,34.86 80.79,34.86 ; U4.5 64.31,50.74 v1(64.44,50.61) 64.69,50.36 64.69,46.29 67.73,43.24 89.71,43.24 90.98,41.97 90.98,40.58 92.13,39.43 93.9,39.43 J6.12 ; v1(70.16,13.65) 70.22,13.59 76.63,13.59
  Bottom w0.127: v1(70.16,13.65) 70.41,13.91 70.41,22.85 65.2,28.06 65.2,33.97 65.07,34.1 65.07,34.74 v1(65.14,34.8) 65.2,34.86 65.2,36.83 64.18,37.85 64.18,48.32 64.44,48.57 64.44,49.65 64.69,49.91 64.69,50.36 v1(64.44,50.61) 63.93,51.12 63.93,62.17 64.69,62.92 64.69,85.66 66.97,87.94 66.97,89.98 U2.67
D12: length 138.9
  Top w0.127: v1(64.69,35.37) 71.61,35.37 72.5,36.26 73.22,36.26 73.32,36.36 80.79,36.36 ; 76.63,15.99 69.98,15.99 v1(69.9,16.07) ; 92.63,38.16 90.73,40.06 90.73,41.85 89.59,42.99 67.62,42.99 64.44,46.18 64.44,49.59 v1(64.05,49.98) 63.94,50.09 U4.6
  Bottom w0.127: v1(69.9,16.07) 70.16,16.32 70.16,22.75 64.95,27.96 64.95,33.87 64.69,34.12 v1(64.69,35.37) 64.69,36.98 63.93,37.75 63.93,48.42 64.18,48.68 64.18,49.72 64.19,49.72 64.19,49.84 v1(64.05,49.98) 63.68,50.35 63.68,62.29 64.44,63.05 64.44,86.93 U2.68
D13: length 143.1
  Top w0.127: 76.63,16.79 69.68,16.79 v1(69.65,16.83) ; J6.14 93.9,36.89 92,36.89 90.47,38.42 90.47,41.72 89.46,42.74 67.52,42.74 64.18,46.08 64.18,48.83 v1(63.68,49.34) 63.57,49.44 U4.7 ; v1(64.19,35.88) 64.95,35.88 65.2,35.62 71.51,35.62 72.31,36.43 72.31,36.64 73.03,37.36 80.79,37.36
  Bottom w0.127: U2.2 62.42,87.46 62.42,63.63 63.42,62.63 63.42,49.59 v1(63.68,49.34) 63.93,49.09 63.93,48.78 63.67,48.53 63.67,37.64 64.19,37.13 v1(64.19,35.88) 64.19,34.27 64.69,33.76 64.69,27.85 69.9,22.64 69.9,17.08 v1(69.65,16.83)
D14: length 143.5
  Top w0.127: U4.8 63.12,48.79 v1(63.16,48.84) 63.93,48.08 63.93,45.97 67.41,42.48 89.35,42.48 90.22,41.62 90.22,38.04 92.63,35.63 92.63,35.62 ; v1(63.68,36.39) 64.8,36.39 65.31,35.88 71.4,35.88 72.06,36.54 72.06,37.53 72.89,38.36 80.79,38.36 ; v1(69.39,17.59) 76.63,17.59
  Bottom w0.127: U2.3 62.17,89.7 62.17,63.47 63.17,62.47 63.17,49.1 63.3,48.97 v1(63.16,48.84) 63.42,48.58 63.42,37.41 63.68,37.15 v1(63.68,36.39) 63.68,34.42 64.44,33.66 64.44,27.74 69.65,22.54 69.65,17.84 v1(69.39,17.59)
D15: length 145.6
  Top w0.127: v1(69.14,18.35) 69.18,18.39 U8.38 ; U4.9 62.9,48.14 v1(62.91,48.13) 63.67,47.37 63.67,45.86 67.31,42.23 89.2,42.23 89.97,41.47 89.97,36.51 92.13,34.35 93.9,34.35 J6.16 ; v1(63.16,36.9) 64.65,36.9 65.41,36.13 71.3,36.13 71.81,36.64 71.81,38.42 72.75,39.36 80.79,39.36
  Bottom w0.127: 69.39,22.43 64.19,27.64 64.19,33.55 63.16,34.57 v1(63.16,36.9) 63.16,47.06 62.91,47.31 v1(62.91,48.13) 62.66,48.38 62.66,49.09 62.92,49.34 62.92,62.36 61.92,63.36 61.92,87.42 U2.4 ; 69.39,22.42 69.39,18.61 v1(69.14,18.35)
R/~{W}: length 236.7
  Top w0.127: U10.16 16.56,99 16.56,100.9 17.32,101.66 27.1,101.66 29.39,99.38 33.45,99.38 38.02,94.81 50.47,94.81 v1(50.66,95) 50.85,95.19 79.55,95.19 81.23,93.51 96.42,93.51 96.82,93.92 96.82,97.98 J7.10 ; v1(42.47,29.4) 42.68,29.19 U1.1 ; v1(43.04,51.18) 43.04,51.69 41.8,52.93 U9.13 ; v1(42.47,34.74) 42.72,34.48 55.74,34.48 57.12,35.86 U7.11 ; v1(42.47,12.26) 44.33,10.39 U8.17 ; U2.12 48.18,85.91 v1(47.93,85.66)
  Bottom w0.127: v1(42.47,12.26) v1(42.47,29.4) v1(42.47,34.74) 42.47,50.61 v1(43.04,51.18) 48.22,56.36 48.22,66.9 47.44,67.68 47.44,70.95 47.84,71.35 47.84,80.76 47.68,80.92 47.68,85.41 v1(47.93,85.66) ; U2.12 49.33,87.3 49.33,93.66 v1(50.66,95)
RxD: length 99.5
  Top w0.127: J2.3 6.93,84.65 10.87,88.58 34.6,88.58 39.42,93.41 77.9,93.41 v1(78.54,94.04)
  Bottom w0.127: v1(78.54,94.04) 78.54,74.36 77.39,73.21 U2.48
ST0: length 98.8
  Top w0.127: v1(15.29,80.96) 15.45,81.13 16.48,81.13 17.41,80.2 32.44,80.2 34.47,82.23 45.14,82.23 46.27,83.37 50.72,83.37 51.96,84.61 80.6,84.61 84.32,88.33 94.03,88.33 J7.18
  Bottom w0.127: U10.17 15.16,93.9 15.55,93.52 15.55,81.22 v1(15.29,80.96)
ST1: length 95.9
  Top w0.127: v1(16.31,80.71) 17.07,79.95 32.56,79.95 34.6,81.98 51.87,81.98 54.24,84.36 80.7,84.36 84.42,88.08 94.03,88.08 J7.20
  Bottom w0.127: U10.18 16.05,91.12 16.05,80.96 v1(16.31,80.71)
ST2: length 110.4
  Top w0.127: v1(15.8,80.2) 16.43,80.2 16.94,79.69 44.35,79.69 49.56,74.49 51.99,74.49 U2.21 54.4,74.61 89.33,74.61 90.35,75.63 96.23,75.63 96.49,75.88 v1(97.08,75.88)
  Bottom w0.127: v1(97.08,75.88) 97.08,82.49 J7.22 ; U10.19 15.8,93.41 v1(15.8,80.2)
ST3: length 107.1
  Top w0.127: v1(96.57,75.38) 90.47,75.38 89.33,74.23 51.74,74.23 U2.22 50.48,73.21 44.25,79.44 16.56,79.44 v1(16.31,79.69) ; U10.20 20.24,91.89 19.74,91.38 v1(17.96,91.38)
  Bottom w0.127: J7.24 96.57,80.46 v1(96.57,75.38) ; v1(16.31,79.69) 16.82,80.2 16.82,81.09 16.31,81.6 16.31,89.73 v1(17.96,91.38)
TxD: length 103
  Top w0.127: v1(79.43,93.28) 79.3,93.16 39.55,93.16 34.72,88.33 10.97,88.33 5.51,82.87 J2.2
  Bottom w0.127: 76.12,70.67 78.79,73.34 78.79,92.65 v1(79.43,93.28)
~{0SEL}: length 71.6
  Top w0.127: JP5.1 J7.21 ; v1(86.41,59.25) 86.16,59.5 59.87,59.5 58.73,58.36 57.46,58.36 55.68,56.58 55.68,54.48 54.46,53.26 U5.15
  Bottom w0.127: J7.21 93.9,83.12 93.9,81.22 93.27,80.58 92,80.58 91.11,79.69 91.11,78.3 89.2,76.39 89.2,63.6 87.05,61.45 87.05,59.63 86.66,59.25 v1(86.41,59.25)
~{2SEL}: length 66.4
  Top w0.127: v1(85.65,58.99) 85.39,59.25 59.98,59.25 58.84,58.1 57.56,58.1 55.93,56.47 55.93,53.11 54.79,51.96 U5.13 ; JP5.3 J7.25
  Bottom w0.127: v1(85.65,58.99) 85.81,58.83 86.67,58.83 87.3,59.46 87.3,61.34 89.46,63.5 89.46,76.14 J7.25
~{3SEL}: length 60.3
  Top w0.127: v1(87.3,58.87) 87.01,58.58 85.43,58.58 85.01,58.99 60.12,58.99 58.98,57.85 57.67,57.85 56.19,56.37 56.19,52.73 54.77,51.31 U5.12
  Bottom w0.127: J7.27 91.24,76.77 89.71,75.25 89.71,63.39 87.55,61.24 87.55,59.12 v1(87.3,58.87)
~{4SEL}: length 58.7
  Top w0.127: v1(86.86,58.1) 86.64,58.32 85.33,58.32 84.91,58.74 60.23,58.74 59.08,57.6 57.77,57.6 56.44,56.26 56.44,52.22 54.88,50.66 U5.11
  Bottom w0.127: J7.29 91.36,74.23 89.97,72.84 89.97,63.29 87.81,61.13 87.81,58.69 87.22,58.1 v1(86.86,58.1)
~{5SEL}: length 57.2
  Top w0.127: U5.10 54.89,50.01 56.69,51.82 56.69,56.16 57.88,57.34 59.19,57.34 60.33,58.48 84.8,58.48 85.22,58.07 86.3,58.07 86.68,57.69 87.39,57.69 v1(87.62,57.91)
  Bottom w0.127: v1(87.62,57.91) 87.74,57.91 88.06,58.23 88.06,61.02 90.22,63.18 90.22,70.55 91.36,71.69 J7.31
~{6SEL}: length 79.1
  Top w0.127: U9.12 41.82,52.28 42.34,51.75 42.34,50.83 41.84,50.33 U9.9 41.86,50.33 43.91,48.28 54.58,48.28 v1(54.79,48.07) ; U5.9 v1(54.91,49.36) 55.19,49.36 56.95,51.12 56.95,56.05 57.98,57.09 59.29,57.09 60.44,58.23 84.7,58.23 85.12,57.81 86.14,57.81 86.61,57.34 v1(88.06,57.34)
  Bottom w0.127: v1(54.91,49.36) 55.04,49.24 55.04,48.32 v1(54.79,48.07) ; v1(88.06,57.34) 88.06,57.85 88.32,58.1 88.32,60.88 90.47,63.04 90.47,68.39 91.24,69.15 J7.33
~{AOE}: length 180.3
  Top w0.127: U3.1 72.89,53.34 v1(72.31,53.91) 65.71,53.91 65.14,53.34 U4.1 ; v1(32.31,61.79) 34.6,59.5 48.59,59.5 49.64,60.55 71.72,60.55 v1(71.87,60.71) 71.93,60.64 88.71,60.64 90.87,62.8 93.9,62.8 J7.38 ; JP1.1 33.45,25.46 v1(32.44,26.48)
  Bottom w0.127: v1(72.31,53.91) 72.82,54.42 72.82,59.75 v1(71.87,60.71) ; U10.5 20.24,105.98 21.26,104.97 21.26,88.96 23.55,86.68 23.55,83.21 32.31,74.44 v1(32.31,61.79) 31.42,60.9 31.42,28 32.44,26.99 v1(32.44,26.48)
~{AS}: length 187.5
  Top w0.127: U2.27 53.26,64.7 52.88,64.33 48.78,64.33 47.8,65.3 v1(47.8,66.1) ; U1.3 47.85,27.88 44.63,27.88 v1(44.25,28.26) ; U10.11 16.01,102.93 17.02,103.95 36.63,103.95 38.41,102.17 38.41,99.76 40.06,98.11 44.37,98.11 45.52,96.97 46.79,96.97 v1(46.91,97.09) 47.17,97.35 51.7,97.35 52.2,96.84 85.54,96.84 88.95,100.25 88.95,103.32 91.62,105.98 93.9,105.98 J7.4 ; v1(57.33,30.16) 55.55,30.16 55.17,30.54 44.63,30.54 v1(44.25,30.16)
  Bottom w0.127: U2.27 53.26,61.66 57.84,57.09 57.84,54.38 57.58,54.13 57.58,30.42 v1(57.33,30.16) ; v1(46.91,97.09) 46.91,96.35 46.15,95.59 46.15,71.88 47.19,70.85 47.19,67.52 47.8,66.91 v1(47.8,66.1) ; v1(44.25,28.26) v1(44.25,30.16)
